# Altium PCB Slave.PcbDoc (part 5 of 11)
Units mm, origin at the board's own origin, x right, y up, seen from the top; angles counter-clockwise.
Board outline 380 x 63 mm, 4 copper layers (Top Copper, Signal Layer 1, Signal Layer 2, Bottom Copper), stack 1.586 mm thick; 256 components, 191 nets, 731 pads, 24161 vias.
Unrouted connection lines stored in the file: 14.
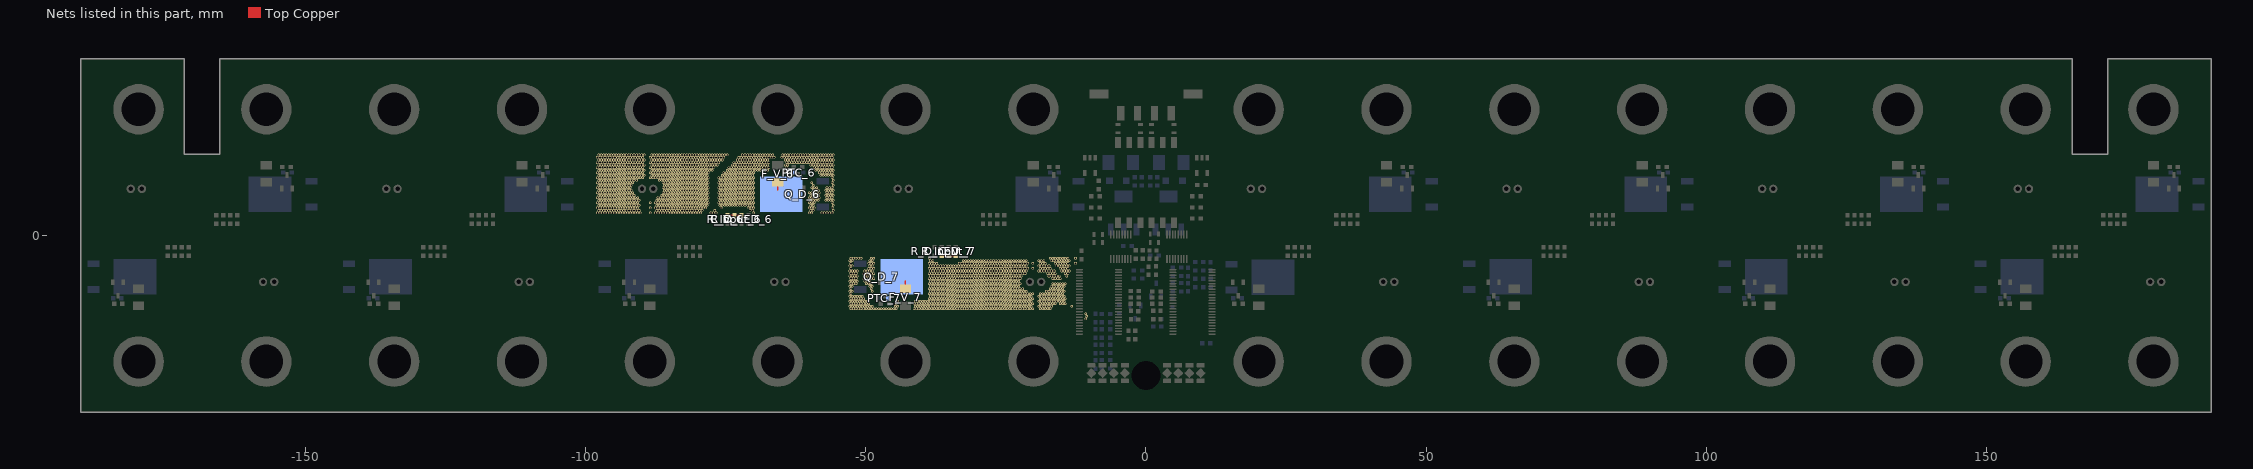
[diagram p7: the nets of this part, all layers, seen from the top]

## Via types
v1: diameter 0.45, hole 0.297, Top Copper to Bottom Copper, tented both sides, 23326 vias
v2: diameter 1, hole 0.7, Top Copper to Bottom Copper, 576 vias
v3: diameter 0.45, hole 0.2, Top Copper to Bottom Copper, 259 vias

## Nets (pads, with @x,y where several pads share a name; then routed paths per layer and width w, separated by ;. In a path a pad name is that pad's centre, name@x,y a point inside that pad or via, vN(x,y) a via of type N, cw(c..) or ccw(c..) an arc to the next point about the centre after c; other vN are vias at no path point) (continued)
F_6: C_V_6.2 F_V_6.2 PTC_6.2 Q_D_6.2 R_D_LED_6.2 R_Input_6.1 | length 3.9
  Top Copper w0.254: C_V_6.2@-74.65,3.6 R_Input_6.1@-73.4,3.6 R_D_LED_6.2@-72.15,3.6
  Top Copper w0.305: -65.675,8.1 F_V_6.2@-65.675,9.48
  other v1: -97.85,4 -97.4,4 -96.95,4 -96.5,4 -96.05,4 -95.6,4 -95.15,4 -94.7,4 -94.25,4 -93.8,4 -93.35,4 -92.9,4 -92.45,4 -92,4 -91.55,4 -91.1,4 -90.65,4 -90.2,4 -88.4,4 -87.5,4 -87.05,4 -86.6,4 -86.15,4 -85.7,4 -85.25,4 -84.8,4 -84.35,4 -83.9,4 -83.45,4 -83,4 -82.55,4 -82.1,4 -81.65,4 -81.2,4 -80.75,4 -80.3,4 -79.85,4 -79.4,4 -77.6,4 -77.15,4 -76.7,4 -69.95,4 -60.05,4 -59.6,4 -57.8,4 -57.35,4 -56.9,4 -56.45,4 -56,4 -97.625,4.45 -97.175,4.45 -96.725,4.45 -96.275,4.45 -95.825,4.45 -95.375,4.45 -94.925,4.45 -94.475,4.45 -94.025,4.45 -93.575,4.45 -93.125,4.45 -92.675,4.45 -92.225,4.45 -91.775,4.45 -91.325,4.45 -90.875,4.45 -90.425,4.45 -87.275,4.45 -86.825,4.45 -86.375,4.45 -85.925,4.45 -85.475,4.45 -85.025,4.45 -84.575,4.45 -84.125,4.45 -83.675,4.45 -83.225,4.45 -82.775,4.45 -82.325,4.45 -81.875,4.45 -81.425,4.45 -80.975,4.45 -80.525,4.45 -80.075,4.45 -79.625,4.45 -79.175,4.45 -76.925,4.45 -70.625,4.45 -70.175,4.45 -59.825,4.45 -59.375,4.45 -55.775,4.45 -97.85,4.9 -97.4,4.9 -96.95,4.9 -96.5,4.9 -96.05,4.9 -95.6,4.9 -95.15,4.9 -94.7,4.9 -94.25,4.9 -93.8,4.9 -93.35,4.9 -92.9,4.9 -92.45,4.9 -92,4.9 -91.55,4.9 -91.1,4.9 -90.65,4.9 -88.4,4.9 -87.5,4.9 -87.05,4.9 -86.6,4.9 -86.15,4.9 -85.7,4.9 -85.25,4.9 -84.8,4.9 -84.35,4.9 -83.9,4.9 -83.45,4.9 -83,4.9 -82.55,4.9 -82.1,4.9 -81.65,4.9 -81.2,4.9 -80.75,4.9 -80.3,4.9 -79.85,4.9 -79.4,4.9 -78.95,4.9 -78.5,4.9 -75.8,4.9 -70.85,4.9 -70.4,4.9 -69.95,4.9 -60.05,4.9 -59.6,4.9 -59.15,4.9 -56,4.9 -97.625,5.35 -97.175,5.35 -96.725,5.35 -96.275,5.35 -95.825,5.35 -95.375,5.35 -94.925,5.35 -94.475,5.35 -94.025,5.35 -93.575,5.35 -93.125,5.35 -92.675,5.35 -92.225,5.35 -91.775,5.35 -91.325,5.35 -90.875,5.35 -90.425,5.35 -87.275,5.35 -86.825,5.35 -86.375,5.35 -85.925,5.35 -85.475,5.35 -85.025,5.35 -84.575,5.35 -84.125,5.35 -83.675,5.35 -83.225,5.35 -82.775,5.35 -82.325,5.35 -81.875,5.35 -81.425,5.35 -80.975,5.35 -80.525,5.35 -80.075,5.35 -79.625,5.35 -79.175,5.35 -78.725,5.35 -78.275,5.35 -76.025,5.35 -75.575,5.35 -75.125,5.35 -74.675,5.35 -74.225,5.35 -73.775,5.35 -73.325,5.35 -72.875,5.35 -72.425,5.35 -71.975,5.35 -71.525,5.35 -71.075,5.35 -70.625,5.35 -70.175,5.35 -59.825,5.35 -59.375,5.35 -55.775,5.35 -97.85,5.8 -97.4,5.8 -96.95,5.8 -96.5,5.8 -96.05,5.8 -95.6,5.8 -95.15,5.8 -94.7,5.8 -94.25,5.8 -93.8,5.8 -93.35,5.8 -92.9,5.8 -92.45,5.8 -92,5.8 -91.55,5.8 -91.1,5.8 -90.65,5.8 -88.4,5.8 -87.5,5.8 -87.05,5.8 -86.6,5.8 -86.15,5.8 -85.7,5.8 -85.25,5.8 -84.8,5.8 -84.35,5.8 -83.9,5.8 -83.45,5.8 -83,5.8 -82.55,5.8 -82.1,5.8 -81.65,5.8 -81.2,5.8 -80.75,5.8 -80.3,5.8 -79.85,5.8 -79.4,5.8 -78.95,5.8 -78.5,5.8 -78.05,5.8 -76.25,5.8 -75.8,5.8 -75.35,5.8 -74.9,5.8 -74.45,5.8 -74,5.8 -73.55,5.8 -73.1,5.8 -72.65,5.8 -72.2,5.8 -71.75,5.8 -71.3,5.8 -70.85,5.8 -70.4,5.8 -69.95,5.8 -60.05,5.8 -59.6,5.8 -59.15,5.8 -56,5.8 -97.625,6.25 -97.175,6.25 -96.725,6.25 -96.275,6.25 -95.825,6.25 -95.375,6.25 -94.925,6.25 -94.475,6.25 -94.025,6.25 -93.575,6.25 -93.125,6.25 -92.675,6.25 -92.225,6.25 -91.775,6.25 -91.325,6.25 -90.875,6.25 -90.425,6.25 -87.275,6.25 -86.825,6.25 -86.375,6.25 -85.925,6.25 -85.475,6.25 -85.025,6.25 -84.575,6.25 -84.125,6.25 -83.675,6.25 -83.225,6.25 -82.775,6.25 -82.325,6.25 -81.875,6.25 -81.425,6.25 -80.975,6.25 -80.525,6.25 -80.075,6.25 -79.625,6.25 -79.175,6.25 -78.725,6.25 -78.275,6.25 -76.025,6.25 -75.575,6.25 -75.125,6.25 -74.675,6.25 -74.225,6.25 -73.775,6.25 -73.325,6.25 -72.875,6.25 -72.425,6.25 -71.975,6.25 -71.525,6.25 -71.075,6.25 -70.625,6.25 -70.175,6.25 -59.825,6.25 -59.375,6.25 -58.925,6.25 -58.475,6.25 -57.125,6.25 -56.675,6.25 -56.225,6.25 -55.775,6.25 -97.85,6.7 -97.4,6.7 -96.95,6.7 -96.5,6.7 -96.05,6.7 -95.6,6.7 -95.15,6.7 -94.7,6.7 -94.25,6.7 -93.8,6.7 -93.35,6.7 -92.9,6.7 -92.45,6.7 -92,6.7 -91.55,6.7 -91.1,6.7 -90.65,6.7 -87.05,6.7 -86.6,6.7 -86.15,6.7 -85.7,6.7 -85.25,6.7 -84.8,6.7 -84.35,6.7 -83.9,6.7 -83.45,6.7 -83,6.7 -82.55,6.7 -82.1,6.7 -81.65,6.7 -81.2,6.7 -80.75,6.7 -80.3,6.7 -79.85,6.7 -79.4,6.7 -78.95,6.7 -78.5,6.7 -78.05,6.7 -76.25,6.7 -75.8,6.7 -75.35,6.7 -74.9,6.7 -74.45,6.7 -74,6.7 -73.55,6.7 -73.1,6.7 -72.65,6.7 -72.2,6.7 -71.75,6.7 -71.3,6.7 -70.85,6.7 -70.4,6.7 -69.95,6.7 -60.05,6.7 -59.6,6.7 -59.15,6.7 -58.7,6.7 -58.25,6.7 -56.9,6.7 -56.45,6.7 -56,6.7 -97.625,7.15 -97.175,7.15 -96.725,7.15 -96.275,7.15 -95.825,7.15 -95.375,7.15 -94.925,7.15 -94.475,7.15 -94.025,7.15 -93.575,7.15 -93.125,7.15 -92.675,7.15 -92.225,7.15 -91.775,7.15 -91.325,7.15 -86.375,7.15 -85.925,7.15 -85.475,7.15 -85.025,7.15 -84.575,7.15 -84.125,7.15 -83.675,7.15 -83.225,7.15 -82.775,7.15 -82.325,7.15 -81.875,7.15 -81.425,7.15 -80.975,7.15 -80.525,7.15 -80.075,7.15 -79.625,7.15 -79.175,7.15 -78.725,7.15 -78.275,7.15 -76.025,7.15 -75.575,7.15 -75.125,7.15 -74.675,7.15 -74.225,7.15 -73.775,7.15 -73.325,7.15 -72.875,7.15 -72.425,7.15 -71.975,7.15 -71.525,7.15 -71.075,7.15 -70.625,7.15 -70.175,7.15 -59.825,7.15 -59.375,7.15 -58.925,7.15 -58.475,7.15 -57.125,7.15 -56.675,7.15 -56.225,7.15 -55.775,7.15 -97.85,7.6 -97.4,7.6 -96.95,7.6 -96.5,7.6 -96.05,7.6 -95.6,7.6 -95.15,7.6 -94.7,7.6 -94.25,7.6 -93.8,7.6 -93.35,7.6 -92.9,7.6 -92.45,7.6 -92,7.6 -91.55,7.6 -86.15,7.6 -85.7,7.6 -85.25,7.6 -84.8,7.6 -84.35,7.6 -83.9,7.6 -83.45,7.6 -83,7.6 -82.55,7.6 -82.1,7.6 -81.65,7.6 -81.2,7.6 -80.75,7.6 -80.3,7.6 -79.85,7.6 -79.4,7.6 -78.95,7.6 -78.5,7.6 -78.05,7.6 -76.25,7.6 -75.8,7.6 -75.35,7.6 -74.9,7.6 -74.45,7.6 -74,7.6 -73.55,7.6 -73.1,7.6 -72.65,7.6 -72.2,7.6 -71.75,7.6 -71.3,7.6 -70.85,7.6 -70.4,7.6 -69.95,7.6 -60.05,7.6 -59.6,7.6 -59.15,7.6 -58.7,7.6 -58.25,7.6 -56.9,7.6 -56.45,7.6 -56,7.6 -97.625,8.05 -97.175,8.05 -96.725,8.05 -96.275,8.05 -95.825,8.05 -95.375,8.05 -94.925,8.05 -94.475,8.05 -94.025,8.05 -93.575,8.05 -93.125,8.05 -92.675,8.05 -92.225,8.05 -91.775,8.05 -85.925,8.05 -85.475,8.05 -85.025,8.05 -84.575,8.05 -84.125,8.05 -83.675,8.05 -83.225,8.05 -82.775,8.05 -82.325,8.05 -81.875,8.05 -81.425,8.05 -80.975,8.05 -80.525,8.05 -80.075,8.05 -79.625,8.05 -79.175,8.05 -78.725,8.05 -78.275,8.05 -76.025,8.05 -75.575,8.05 -75.125,8.05 -74.675,8.05 -74.225,8.05 -73.775,8.05 -73.325,8.05 -72.875,8.05 -72.425,8.05 -71.975,8.05 -71.525,8.05 -71.075,8.05 -70.625,8.05 -70.175,8.05 -59.375,8.05 -58.925,8.05 -58.475,8.05 -57.125,8.05 -56.675,8.05 -56.225,8.05 -55.775,8.05 -97.85,8.5 -97.4,8.5 -96.95,8.5 -96.5,8.5 -96.05,8.5 -95.6,8.5 -95.15,8.5 -94.7,8.5 -94.25,8.5 -93.8,8.5 -93.35,8.5 -92.9,8.5 -92.45,8.5 -92,8.5 -86.15,8.5 -85.7,8.5 -85.25,8.5 -84.8,8.5 -84.35,8.5 -83.9,8.5 -83.45,8.5 -83,8.5 -82.55,8.5 -82.1,8.5 -81.65,8.5 -81.2,8.5 -80.75,8.5 -80.3,8.5 -79.85,8.5 -79.4,8.5 -78.95,8.5 -78.5,8.5 -78.05,8.5 -76.25,8.5 -75.8,8.5 -75.35,8.5 -74.9,8.5 -74.45,8.5 -74,8.5 -73.55,8.5 -73.1,8.5 -72.65,8.5 -72.2,8.5 -71.75,8.5 -71.3,8.5 -70.85,8.5 -70.4,8.5 -69.95,8.5 -59.6,8.5 -59.15,8.5 -58.7,8.5 -56.9,8.5 -56.45,8.5 -56,8.5 -97.625,8.95 -97.175,8.95 -96.725,8.95 -96.275,8.95 -95.825,8.95 -95.375,8.95 -94.925,8.95 -94.475,8.95 -94.025,8.95 -93.575,8.95 -93.125,8.95 -92.675,8.95 -92.225,8.95 -91.775,8.95 -85.925,8.95 -85.475,8.95 -85.025,8.95 -84.575,8.95 -84.125,8.95 -83.675,8.95 -83.225,8.95 -82.775,8.95 -82.325,8.95 -81.875,8.95 -81.425,8.95 -80.975,8.95 -80.525,8.95 -80.075,8.95 -79.625,8.95 -79.175,8.95 -78.725,8.95 -78.275,8.95 -76.025,8.95 -75.575,8.95 -75.125,8.95 -74.675,8.95 -74.225,8.95 -73.775,8.95 -73.325,8.95 -72.875,8.95 -72.425,8.95 -71.975,8.95 -71.525,8.95 -71.075,8.95 -70.625,8.95 -70.175,8.95 -59.375,8.95 -55.775,8.95 -97.85,9.4 -97.4,9.4 -96.95,9.4 -96.5,9.4 -96.05,9.4 -95.6,9.4 -95.15,9.4 -94.7,9.4 -94.25,9.4 -93.8,9.4 -93.35,9.4 -92.9,9.4 -92.45,9.4 -92,9.4 -91.55,9.4 -86.15,9.4 -85.7,9.4 -85.25,9.4 -84.8,9.4 -84.35,9.4 -83.9,9.4 -83.45,9.4 -83,9.4 -82.55,9.4 -82.1,9.4 -81.65,9.4 -81.2,9.4 -80.75,9.4 -80.3,9.4 -79.85,9.4 -79.4,9.4 -78.95,9.4 -78.5,9.4 -78.05,9.4 -76.25,9.4 -75.8,9.4 -75.35,9.4 -74.9,9.4 -74.45,9.4 -74,9.4 -73.55,9.4 -73.1,9.4 -72.65,9.4 -72.2,9.4 -71.75,9.4 -71.3,9.4 -70.85,9.4 -70.4,9.4 -69.95,9.4 -59.6,9.4 -56,9.4 -97.625,9.85 -97.175,9.85 -96.725,9.85 -96.275,9.85 -95.825,9.85 -95.375,9.85 -94.925,9.85 -94.475,9.85 -94.025,9.85 -93.575,9.85 -93.125,9.85 -92.675,9.85 -92.225,9.85 -91.775,9.85 -91.325,9.85 -90.875,9.85 -86.825,9.85 -86.375,9.85 -85.925,9.85 -85.475,9.85 -85.025,9.85 -84.575,9.85 -84.125,9.85 -83.675,9.85 -83.225,9.85 -82.775,9.85 -82.325,9.85 -81.875,9.85 -81.425,9.85 -80.975,9.85 -80.525,9.85 -80.075,9.85 -79.625,9.85 -79.175,9.85 -78.725,9.85 -78.275,9.85 -76.025,9.85 -75.575,9.85 -75.125,9.85 -74.675,9.85 -74.225,9.85 -73.775,9.85 -73.325,9.85 -72.875,9.85 -72.425,9.85 -71.975,9.85 -71.525,9.85 -71.075,9.85 -70.625,9.85 -70.175,9.85 -55.775,9.85 -97.85,10.3 -97.4,10.3 -96.95,10.3 -96.5,10.3 -96.05,10.3 -95.6,10.3 -95.15,10.3 -94.7,10.3 -94.25,10.3 -93.8,10.3 -93.35,10.3 -92.9,10.3 -92.45,10.3 -92,10.3 -91.55,10.3 -91.1,10.3 -90.65,10.3 -90.2,10.3 -89.75,10.3 -88.4,10.3 -87.95,10.3 -87.5,10.3 -87.05,10.3 -86.6,10.3 -86.15,10.3 -85.7,10.3 -85.25,10.3 -84.8,10.3 -84.35,10.3 -83.9,10.3 -83.45,10.3 -83,10.3 -82.55,10.3 -82.1,10.3 -81.65,10.3 -81.2,10.3 -80.75,10.3 -80.3,10.3 -79.85,10.3 -79.4,10.3 -78.95,10.3 -78.5,10.3 -78.05,10.3 -76.25,10.3 -75.8,10.3 -75.35,10.3 -74.9,10.3 -74.45,10.3 -74,10.3 -73.55,10.3 -73.1,10.3 -72.65,10.3 -72.2,10.3 -71.75,10.3 -71.3,10.3 -70.85,10.3 -70.4,10.3 -69.95,10.3 -56,10.3 -97.625,10.75 -97.175,10.75 -96.725,10.75 -96.275,10.75 -95.825,10.75 -95.375,10.75 -94.925,10.75 -94.475,10.75 -94.025,10.75 -93.575,10.75 -93.125,10.75 -92.675,10.75 -92.225,10.75 -91.775,10.75 -91.325,10.75 -90.875,10.75 -90.425,10.75 -89.975,10.75 -89.525,10.75 -88.175,10.75 -87.725,10.75 -87.275,10.75 -86.825,10.75 -86.375,10.75 -85.925,10.75 -85.475,10.75 -85.025,10.75 -84.575,10.75 -84.125,10.75 -83.675,10.75 -83.225,10.75 -82.775,10.75 -82.325,10.75 -81.875,10.75 -81.425,10.75 -80.975,10.75 -80.525,10.75 -80.075,10.75 -79.625,10.75 -79.175,10.75 -78.725,10.75 -78.275,10.75 -75.575,10.75 -75.125,10.75 -74.675,10.75 -74.225,10.75 -73.775,10.75 -73.325,10.75 -72.875,10.75 -72.425,10.75 -71.975,10.75 -71.525,10.75 -71.075,10.75 -70.625,10.75 -70.175,10.75 -58.025,10.75 -57.575,10.75 -57.125,10.75 -56.675,10.75 -56.225,10.75 -55.775,10.75 -97.85,11.2 -97.4,11.2 -96.95,11.2 -96.5,11.2 -96.05,11.2 -95.6,11.2 -95.15,11.2 -94.7,11.2 -94.25,11.2 -93.8,11.2 -93.35,11.2 -92.9,11.2 -92.45,11.2 -92,11.2 -91.55,11.2 -91.1,11.2 -90.65,11.2 -90.2,11.2 -89.75,11.2 -88.4,11.2 -87.95,11.2 -87.5,11.2 -87.05,11.2 -86.6,11.2 -86.15,11.2 -85.7,11.2 -85.25,11.2 -84.8,11.2 -84.35,11.2 -83.9,11.2 -83.45,11.2 -83,11.2 -82.55,11.2 -82.1,11.2 -81.65,11.2 -81.2,11.2 -80.75,11.2 -80.3,11.2 -79.85,11.2 -79.4,11.2 -78.95,11.2 -78.5,11.2 -78.05,11.2 -75.35,11.2 -74.9,11.2 -74.45,11.2 -74,11.2 -73.55,11.2 -73.1,11.2 -72.65,11.2 -72.2,11.2 -71.75,11.2 -71.3,11.2 -70.85,11.2 -70.4,11.2 -69.95,11.2 -58.25,11.2 -57.8,11.2 -57.35,11.2 -56.9,11.2 -56.45,11.2 -56,11.2 -97.625,11.65 -97.175,11.65 -96.725,11.65 -96.275,11.65 -95.825,11.65 -95.375,11.65 -94.925,11.65 -94.475,11.65 -94.025,11.65 -93.575,11.65 -93.125,11.65 -92.675,11.65 -92.225,11.65 -91.775,11.65 -91.325,11.65 -90.875,11.65 -90.425,11.65 -89.975,11.65 -89.525,11.65 -88.175,11.65 -87.725,11.65 -87.275,11.65 -86.825,11.65 -86.375,11.65 -85.925,11.65 -85.475,11.65 -85.025,11.65 -84.575,11.65 -84.125,11.65 -83.675,11.65 -83.225,11.65 -82.775,11.65 -82.325,11.65 -81.875,11.65 -81.425,11.65 -80.975,11.65 -80.525,11.65 -80.075,11.65 -79.625,11.65 -79.175,11.65 -78.725,11.65 -78.275,11.65 -77.825,11.65 -77.375,11.65 -74.675,11.65 -74.225,11.65 -73.775,11.65 -73.325,11.65 -72.875,11.65 -72.425,11.65 -71.975,11.65 -71.525,11.65 -71.075,11.65 -70.625,11.65 -70.175,11.65 -69.725,11.65 -69.275,11.65 -68.825,11.65 -68.375,11.65 -67.925,11.65 -67.475,11.65 -64.325,11.65 -58.925,11.65 -58.475,11.65 -58.025,11.65 -57.575,11.65 -57.125,11.65 -56.675,11.65 -56.225,11.65 -55.775,11.65 -97.85,12.1 -97.4,12.1 -96.95,12.1 -96.5,12.1 -96.05,12.1 -95.6,12.1 -95.15,12.1 -94.7,12.1 -94.25,12.1 -93.8,12.1 -93.35,12.1 -92.9,12.1 -92.45,12.1 -92,12.1 -91.55,12.1 -91.1,12.1 -90.65,12.1 -90.2,12.1 -89.75,12.1 -88.4,12.1 -87.95,12.1 -87.5,12.1 -87.05,12.1 -86.6,12.1 -86.15,12.1 -85.7,12.1 -85.25,12.1 -84.8,12.1 -84.35,12.1 -83.9,12.1 -83.45,12.1 -83,12.1 -82.55,12.1 -82.1,12.1 -81.65,12.1 -81.2,12.1 -80.75,12.1 -80.3,12.1 -79.85,12.1 -79.4,12.1 -78.95,12.1 -78.5,12.1 -78.05,12.1 -77.6,12.1 -77.15,12.1 -74.45,12.1 -74,12.1 -73.55,12.1 -73.1,12.1 -72.65,12.1 -72.2,12.1 -71.75,12.1 -71.3,12.1 -70.85,12.1 -70.4,12.1 -69.95,12.1 -69.5,12.1 -69.05,12.1 -68.6,12.1 -68.15,12.1 -67.7,12.1 -67.25,12.1 -64.1,12.1 -59.15,12.1 -58.7,12.1 -58.25,12.1 -57.8,12.1 -57.35,12.1 -56.9,12.1 -56.45,12.1 -56,12.1 -97.625,12.55 -97.175,12.55 -96.725,12.55 -96.275,12.55 -95.825,12.55 -95.375,12.55 -94.925,12.55 -94.475,12.55 -94.025,12.55 -93.575,12.55 -93.125,12.55 -92.675,12.55 -92.225,12.55 -91.775,12.55 -91.325,12.55 -90.875,12.55 -90.425,12.55 -89.975,12.55 -89.525,12.55 -88.175,12.55 -87.725,12.55 -87.275,12.55 -86.825,12.55 -86.375,12.55 -85.925,12.55 -85.475,12.55 -85.025,12.55 -84.575,12.55 -84.125,12.55 -83.675,12.55 -83.225,12.55 -82.775,12.55 -82.325,12.55 -81.875,12.55 -81.425,12.55 -80.975,12.55 -80.525,12.55 -80.075,12.55 -79.625,12.55 -79.175,12.55 -78.725,12.55 -78.275,12.55 -77.825,12.55 -77.375,12.55 -76.925,12.55 -76.475,12.55 -73.775,12.55 -73.325,12.55 -72.875,12.55 -72.425,12.55 -71.975,12.55 -71.525,12.55 -71.075,12.55 -70.625,12.55 -70.175,12.55 -69.725,12.55 -69.275,12.55 -68.825,12.55 -68.375,12.55 -67.925,12.55 -67.475,12.55 -64.325,12.55 -63.875,12.55 -59.825,12.55 -59.375,12.55 -58.925,12.55 -58.475,12.55 -58.025,12.55 -57.575,12.55 -57.125,12.55 -56.675,12.55 -56.225,12.55 -55.775,12.55 -97.85,13 -97.4,13 -96.95,13 -96.5,13 -96.05,13 -95.6,13 -95.15,13 -94.7,13 -94.25,13 -93.8,13 -93.35,13 -92.9,13 -92.45,13 -92,13 -91.55,13 -91.1,13 -90.65,13 -90.2,13 -89.75,13 -88.4,13 -87.95,13 -87.5,13 -87.05,13 -86.6,13 -86.15,13 -85.7,13 -85.25,13 -84.8,13 -84.35,13 -83.9,13 -83.45,13 -83,13 -82.55,13 -82.1,13 -81.65,13 -81.2,13 -80.75,13 -80.3,13 -79.85,13 -79.4,13 -78.95,13 -78.5,13 -78.05,13 -77.6,13 -77.15,13 -76.7,13 -76.25,13 -73.55,13 -73.1,13 -72.65,13 -72.2,13 -71.75,13 -71.3,13 -70.85,13 -70.4,13 -69.95,13 -69.5,13 -69.05,13 -68.6,13 -68.15,13 -67.7,13 -67.25,13 -64.1,13 -63.65,13 -63.2,13 -62.75,13 -62.3,13 -61.85,13 -61.4,13 -60.95,13 -60.5,13 -60.05,13 -59.6,13 -59.15,13 -58.7,13 -58.25,13 -57.8,13 -57.35,13 -56.9,13 -56.45,13 -56,13 -97.625,13.45 -97.175,13.45 -96.725,13.45 -96.275,13.45 -95.825,13.45 -95.375,13.45 -94.925,13.45 -94.475,13.45 -94.025,13.45 -93.575,13.45 -93.125,13.45 -92.675,13.45 -92.225,13.45 -91.775,13.45 -91.325,13.45 -90.875,13.45 -90.425,13.45 -89.975,13.45 -89.525,13.45 -88.175,13.45 -87.725,13.45 -87.275,13.45 -86.825,13.45 -86.375,13.45 -85.925,13.45 -85.475,13.45 -85.025,13.45 -84.575,13.45 -84.125,13.45 -83.675,13.45 -83.225,13.45 -82.775,13.45 -82.325,13.45 -81.875,13.45 -81.425,13.45 -80.975,13.45 -80.525,13.45 -80.075,13.45 -79.625,13.45 -79.175,13.45 -78.725,13.45 -78.275,13.45 -77.825,13.45 -77.375,13.45 -76.925,13.45 -76.475,13.45 -76.025,13.45 -75.575,13.45 -72.875,13.45 -72.425,13.45 -71.975,13.45 -71.525,13.45 -71.075,13.45 -70.625,13.45 -70.175,13.45 -69.725,13.45 -69.275,13.45 -68.825,13.45 -68.375,13.45 -67.925,13.45 -67.475,13.45 -64.325,13.45 -63.875,13.45 -63.425,13.45 -62.975,13.45 -62.525,13.45 -62.075,13.45 -61.625,13.45 -61.175,13.45 -60.725,13.45 -60.275,13.45 -59.825,13.45 -59.375,13.45 -58.925,13.45 -58.475,13.45 -58.025,13.45 -57.575,13.45 -57.125,13.45 -56.675,13.45 -56.225,13.45 -55.775,13.45 -97.85,13.9 -97.4,13.9 -96.95,13.9 -96.5,13.9 -96.05,13.9 -95.6,13.9 -95.15,13.9 -94.7,13.9 -94.25,13.9 -93.8,13.9 -93.35,13.9 -92.9,13.9 -92.45,13.9 -92,13.9 -91.55,13.9 -91.1,13.9 -90.65,13.9 -90.2,13.9 -89.75,13.9 -88.4,13.9 -87.95,13.9 -87.5,13.9 -87.05,13.9 -86.6,13.9 -86.15,13.9 -85.7,13.9 -85.25,13.9 -84.8,13.9 -84.35,13.9 -83.9,13.9 -83.45,13.9 -83,13.9 -82.55,13.9 -82.1,13.9 -81.65,13.9 -81.2,13.9 -80.75,13.9 -80.3,13.9 -79.85,13.9 -79.4,13.9 -78.95,13.9 -78.5,13.9 -78.05,13.9 -77.6,13.9 -77.15,13.9 -76.7,13.9 -76.25,13.9 -75.8,13.9 -75.35,13.9 -72.65,13.9 -72.2,13.9 -71.75,13.9 -71.3,13.9 -70.85,13.9 -70.4,13.9 -69.95,13.9 -69.5,13.9 -69.05,13.9 -68.6,13.9 -68.15,13.9 -67.7,13.9 -67.25,13.9 -66.8,13.9 -66.35,13.9 -65,13.9 -64.55,13.9 -64.1,13.9 -63.65,13.9 -63.2,13.9 -62.75,13.9 -62.3,13.9 -61.85,13.9 -61.4,13.9 -60.95,13.9 -60.5,13.9 -60.05,13.9 -59.6,13.9 -59.15,13.9 -58.7,13.9 -58.25,13.9 -57.8,13.9 -57.35,13.9 -56.9,13.9 -56.45,13.9 -56,13.9 -97.625,14.35 -97.175,14.35 -96.725,14.35 -96.275,14.35 -95.825,14.35 -95.375,14.35 -94.925,14.35 -94.475,14.35 -94.025,14.35 -93.575,14.35 -93.125,14.35 -92.675,14.35 -92.225,14.35 -91.775,14.35 -91.325,14.35 -90.875,14.35 -90.425,14.35 -89.975,14.35 -89.525,14.35 -88.175,14.35 -87.725,14.35 -87.275,14.35 -86.825,14.35 -86.375,14.35 -85.925,14.35 -85.475,14.35 -85.025,14.35 -84.575,14.35 -84.125,14.35 -83.675,14.35 -83.225,14.35 -82.775,14.35 -82.325,14.35 -81.875,14.35 -81.425,14.35 -80.975,14.35 -80.525,14.35 -80.075,14.35 -79.625,14.35 -79.175,14.35 -78.725,14.35 -78.275,14.35 -77.825,14.35 -77.375,14.35 -76.925,14.35 -76.475,14.35 -76.025,14.35 -75.575,14.35 -75.125,14.35 -74.675,14.35 -71.975,14.35 -71.525,14.35 -71.075,14.35 -70.625,14.35 -70.175,14.35 -69.725,14.35 -69.275,14.35 -68.825,14.35 -68.375,14.35 -67.925,14.35 -67.475,14.35 -67.025,14.35 -66.575,14.35 -64.775,14.35 -64.325,14.35 -63.875,14.35 -63.425,14.35 -62.975,14.35 -62.525,14.35 -62.075,14.35 -61.625,14.35 -61.175,14.35 -60.725,14.35 -60.275,14.35 -59.825,14.35 -59.375,14.35 -58.925,14.35 -58.475,14.35 -58.025,14.35 -57.575,14.35 -57.125,14.35 -56.675,14.35 -56.225,14.35 -55.775,14.35
F_7: C_V_7.2 F_V_7.2 PTC_7.2 Q_D_7.2 R_D_LED_7.2 R_Input_7.1 | length 3.9
  Top Copper w0.254: R_D_LED_7.2@-36.45,-3.6 R_Input_7.1@-35.2,-3.6 C_V_7.2@-33.95,-3.6
  Top Copper w0.305: F_V_7.2@-42.925,-9.48 -42.925,-8.1
  other v1: -10.776,-14.9 -10.551,-14.45 -10.776,-14 -52.625,-13.1 -52.175,-13.1 -51.725,-13.1 -51.275,-13.1 -50.825,-13.1 -50.375,-13.1 -49.925,-13.1 -49.475,-13.1 -49.025,-13.1 -48.575,-13.1 -48.125,-13.1 -47.675,-13.1 -47.225,-13.1 -46.775,-13.1 -46.325,-13.1 -45.875,-13.1 -45.425,-13.1 -44.975,-13.1 -44.525,-13.1 -41.375,-13.1 -40.925,-13.1 -40.475,-13.1 -40.026,-13.1 -39.576,-13.1 -39.126,-13.1 -38.676,-13.1 -38.226,-13.1 -37.776,-13.1 -37.326,-13.1 -36.876,-13.1 -36.426,-13.1 -35.976,-13.1 -35.526,-13.1 -35.076,-13.1 -34.626,-13.1 -34.176,-13.1 -33.726,-13.1 -33.276,-13.1 -32.826,-13.1 -32.376,-13.1 -31.926,-13.1 -31.476,-13.1 -31.026,-13.1 -30.576,-13.1 -30.126,-13.1 -29.676,-13.1 -29.226,-13.1 -28.776,-13.1 -28.326,-13.1 -27.876,-13.1 -27.426,-13.1 -26.976,-13.1 -26.526,-13.1 -26.076,-13.1 -25.626,-13.1 -25.176,-13.1 -24.726,-13.1 -24.276,-13.1 -23.826,-13.1 -23.376,-13.1 -22.926,-13.1 -22.476,-13.1 -22.026,-13.1 -21.576,-13.1 -21.126,-13.1 -20.676,-13.1 -20.226,-13.1 -18.876,-13.1 -18.426,-13.1 -17.976,-13.1 -17.526,-13.1 -17.076,-13.1 -52.85,-12.65 -52.4,-12.65 -51.95,-12.65 -51.5,-12.65 -51.05,-12.65 -50.6,-12.65 -50.15,-12.65 -49.7,-12.65 -49.25,-12.65 -48.8,-12.65 -44.75,-12.65 -44.3,-12.65 -41.15,-12.65 -40.7,-12.65 -40.25,-12.65 -39.8,-12.65 -39.351,-12.65 -38.901,-12.65 -38.451,-12.65 -38.001,-12.65 -37.551,-12.65 -37.101,-12.65 -36.651,-12.65 -36.201,-12.65 -35.751,-12.65 -35.301,-12.65 -34.851,-12.65 -34.401,-12.65 -33.951,-12.65 -33.501,-12.65 -33.051,-12.65 -32.601,-12.65 -32.151,-12.65 -31.701,-12.65 -31.251,-12.65 -30.801,-12.65 -30.351,-12.65 -29.901,-12.65 -29.451,-12.65 -29.001,-12.65 -28.551,-12.65 -28.101,-12.65 -27.651,-12.65 -27.201,-12.65 -26.751,-12.65 -26.301,-12.65 -25.851,-12.65 -25.401,-12.65 -24.951,-12.65 -24.501,-12.65 -24.051,-12.65 -23.601,-12.65 -23.151,-12.65 -22.701,-12.65 -22.251,-12.65 -21.801,-12.65 -21.351,-12.65 -20.901,-12.65 -20.451,-12.65 -19.101,-12.65 -18.651,-12.65 -18.201,-12.65 -17.751,-12.65 -17.301,-12.65 -16.851,-12.65 -13.251,-12.65 -52.625,-12.2 -52.175,-12.2 -51.725,-12.2 -51.275,-12.2 -50.825,-12.2 -50.375,-12.2 -49.925,-12.2 -49.475,-12.2 -44.525,-12.2 -41.375,-12.2 -40.925,-12.2 -40.475,-12.2 -40.026,-12.2 -39.576,-12.2 -39.126,-12.2 -38.676,-12.2 -38.226,-12.2 -37.776,-12.2 -37.326,-12.2 -36.876,-12.2 -36.426,-12.2 -35.976,-12.2 -35.526,-12.2 -35.076,-12.2 -34.626,-12.2 -34.176,-12.2 -33.726,-12.2 -33.276,-12.2 -32.826,-12.2 -32.376,-12.2 -31.926,-12.2 -31.476,-12.2 -31.026,-12.2 -30.576,-12.2 -30.126,-12.2 -29.676,-12.2 -29.226,-12.2 -28.776,-12.2 -28.326,-12.2 -27.876,-12.2 -27.426,-12.2 -26.976,-12.2 -26.526,-12.2 -26.076,-12.2 -25.626,-12.2 -25.176,-12.2 -24.726,-12.2 -24.276,-12.2 -23.826,-12.2 -23.376,-12.2 -22.926,-12.2 -22.476,-12.2 -22.026,-12.2 -21.576,-12.2 -21.126,-12.2 -20.676,-12.2 -20.226,-12.2 -18.876,-12.2 -18.426,-12.2 -17.976,-12.2 -17.526,-12.2 -17.076,-12.2 -16.626,-12.2 -16.176,-12.2 -15.276,-12.2 -14.826,-12.2 -14.376,-12.2 -52.85,-11.75 -52.4,-11.75 -51.95,-11.75 -51.5,-11.75 -51.05,-11.75 -50.6,-11.75 -50.15,-11.75 -49.7,-11.75 -44.3,-11.75 -41.15,-11.75 -40.7,-11.75 -40.25,-11.75 -39.8,-11.75 -39.351,-11.75 -38.901,-11.75 -38.451,-11.75 -38.001,-11.75 -37.551,-11.75 -37.101,-11.75 -36.651,-11.75 -36.201,-11.75 -35.751,-11.75 -35.301,-11.75 -34.851,-11.75 -34.401,-11.75 -33.951,-11.75 -33.501,-11.75 -33.051,-11.75 -32.601,-11.75 -32.151,-11.75 -31.701,-11.75 -31.251,-11.75 -30.801,-11.75 -30.351,-11.75 -29.901,-11.75 -29.451,-11.75 -29.001,-11.75 -28.551,-11.75 -28.101,-11.75 -27.651,-11.75 -27.201,-11.75 -26.751,-11.75 -26.301,-11.75 -25.851,-11.75 -25.401,-11.75 -24.951,-11.75 -24.501,-11.75 -24.051,-11.75 -23.601,-11.75 -23.151,-11.75 -22.701,-11.75 -22.251,-11.75 -21.801,-11.75 -21.351,-11.75 -20.901,-11.75 -20.451,-11.75 -19.101,-11.75 -18.651,-11.75 -18.201,-11.75 -17.751,-11.75 -17.301,-11.75 -16.851,-11.75 -16.401,-11.75 -15.951,-11.75 -15.501,-11.75 -15.051,-11.75 -14.601,-11.75 -52.625,-11.3 -52.175,-11.3 -51.725,-11.3 -51.275,-11.3 -50.825,-11.3 -50.375,-11.3 -38.676,-11.3 -38.226,-11.3 -37.776,-11.3 -37.326,-11.3 -36.876,-11.3 -36.426,-11.3 -35.976,-11.3 -35.526,-11.3 -35.076,-11.3 -34.626,-11.3 -34.176,-11.3 -33.726,-11.3 -33.276,-11.3 -32.826,-11.3 -32.376,-11.3 -31.926,-11.3 -31.476,-11.3 -31.026,-11.3 -30.576,-11.3 -30.126,-11.3 -29.676,-11.3 -29.226,-11.3 -28.776,-11.3 -28.326,-11.3 -27.876,-11.3 -27.426,-11.3 -26.976,-11.3 -26.526,-11.3 -26.076,-11.3 -25.626,-11.3 -25.176,-11.3 -24.726,-11.3 -24.276,-11.3 -23.826,-11.3 -23.376,-11.3 -22.926,-11.3 -22.476,-11.3 -22.026,-11.3 -21.576,-11.3 -21.126,-11.3 -20.676,-11.3 -20.226,-11.3 -18.876,-11.3 -18.426,-11.3 -17.976,-11.3 -17.526,-11.3 -17.076,-11.3 -16.626,-11.3 -16.176,-11.3 -15.726,-11.3 -15.276,-11.3 -14.826,-11.3 -14.376,-11.3 -52.85,-10.85 -52.4,-10.85 -51.95,-10.85 -51.5,-10.85 -51.05,-10.85 -50.6,-10.85 -38.451,-10.85 -38.001,-10.85 -37.551,-10.85 -37.101,-10.85 -36.651,-10.85 -36.201,-10.85 -35.751,-10.85 -35.301,-10.85 -34.851,-10.85 -34.401,-10.85 -33.951,-10.85 -33.501,-10.85 -33.051,-10.85 -32.601,-10.85 -32.151,-10.85 -31.701,-10.85 -31.251,-10.85 -30.801,-10.85 -30.351,-10.85 -29.901,-10.85 -29.451,-10.85 -29.001,-10.85 -28.551,-10.85 -28.101,-10.85 -27.651,-10.85 -27.201,-10.85 -26.751,-10.85 -26.301,-10.85 -25.851,-10.85 -25.401,-10.85 -24.951,-10.85 -24.501,-10.85 -24.051,-10.85 -23.601,-10.85 -23.151,-10.85 -22.701,-10.85 -22.251,-10.85 -21.801,-10.85 -21.351,-10.85 -20.901,-10.85 -20.451,-10.85 -19.101,-10.85 -18.651,-10.85 -18.201,-10.85 -17.751,-10.85 -17.301,-10.85 -16.851,-10.85 -16.401,-10.85 -15.951,-10.85 -15.501,-10.85 -15.051,-10.85 -14.601,-10.85 -52.625,-10.4 -38.676,-10.4 -38.226,-10.4 -37.776,-10.4 -37.326,-10.4 -36.876,-10.4 -36.426,-10.4 -35.976,-10.4 -35.526,-10.4 -35.076,-10.4 -34.626,-10.4 -34.176,-10.4 -33.726,-10.4 -33.276,-10.4 -32.826,-10.4 -32.376,-10.4 -31.926,-10.4 -31.476,-10.4 -31.026,-10.4 -30.576,-10.4 -30.126,-10.4 -29.676,-10.4 -29.226,-10.4 -28.776,-10.4 -28.326,-10.4 -27.876,-10.4 -27.426,-10.4 -26.976,-10.4 -26.526,-10.4 -26.076,-10.4 -25.626,-10.4 -25.176,-10.4 -24.726,-10.4 -24.276,-10.4 -23.826,-10.4 -23.376,-10.4 -22.926,-10.4 -22.476,-10.4 -22.026,-10.4 -21.576,-10.4 -21.126,-10.4 -20.676,-10.4 -20.226,-10.4 -18.876,-10.4 -18.426,-10.4 -17.976,-10.4 -17.526,-10.4 -17.076,-10.4 -16.626,-10.4 -16.176,-10.4 -15.726,-10.4 -15.276,-10.4 -14.826,-10.4 -52.85,-9.95 -52.4,-9.95 -48.8,-9.95 -38.451,-9.95 -38.001,-9.95 -37.551,-9.95 -37.101,-9.95 -36.651,-9.95 -36.201,-9.95 -35.751,-9.95 -35.301,-9.95 -34.851,-9.95 -34.401,-9.95 -33.951,-9.95 -33.501,-9.95 -33.051,-9.95 -32.601,-9.95 -32.151,-9.95 -31.701,-9.95 -31.251,-9.95 -30.801,-9.95 -30.351,-9.95 -29.901,-9.95 -29.451,-9.95 -29.001,-9.95 -28.551,-9.95 -28.101,-9.95 -27.651,-9.95 -27.201,-9.95 -26.751,-9.95 -26.301,-9.95 -25.851,-9.95 -25.401,-9.95 -24.951,-9.95 -24.501,-9.95 -24.051,-9.95 -23.601,-9.95 -23.151,-9.95 -22.701,-9.95 -22.251,-9.95 -21.801,-9.95 -21.351,-9.95 -17.751,-9.95 -17.301,-9.95 -16.851,-9.95 -16.401,-9.95 -15.951,-9.95 -15.501,-9.95 -15.051,-9.95 -14.601,-9.95 -52.625,-9.5 -49.025,-9.5 -38.676,-9.5 -38.226,-9.5 -37.776,-9.5 -37.326,-9.5 -36.876,-9.5 -36.426,-9.5 -35.976,-9.5 -35.526,-9.5 -35.076,-9.5 -34.626,-9.5 -34.176,-9.5 -33.726,-9.5 -33.276,-9.5 -32.826,-9.5 -32.376,-9.5 -31.926,-9.5 -31.476,-9.5 -31.026,-9.5 -30.576,-9.5 -30.126,-9.5 -29.676,-9.5 -29.226,-9.5 -28.776,-9.5 -28.326,-9.5 -27.876,-9.5 -27.426,-9.5 -26.976,-9.5 -26.526,-9.5 -26.076,-9.5 -25.626,-9.5 -25.176,-9.5 -24.726,-9.5 -24.276,-9.5 -23.826,-9.5 -23.376,-9.5 -22.926,-9.5 -22.476,-9.5 -22.026,-9.5 -17.076,-9.5 -16.626,-9.5 -16.176,-9.5 -15.726,-9.5 -15.276,-9.5 -14.826,-9.5 -52.85,-9.05 -52.4,-9.05 -49.25,-9.05 -48.8,-9.05 -38.451,-9.05 -38.001,-9.05 -37.551,-9.05 -37.101,-9.05 -36.651,-9.05 -36.201,-9.05 -35.751,-9.05 -35.301,-9.05 -34.851,-9.05 -34.401,-9.05 -33.951,-9.05 -33.501,-9.05 -33.051,-9.05 -32.601,-9.05 -32.151,-9.05 -31.701,-9.05 -31.251,-9.05 -30.801,-9.05 -30.351,-9.05 -29.901,-9.05 -29.451,-9.05 -29.001,-9.05 -28.551,-9.05 -28.101,-9.05 -27.651,-9.05 -27.201,-9.05 -26.751,-9.05 -26.301,-9.05 -25.851,-9.05 -25.401,-9.05 -24.951,-9.05 -24.501,-9.05 -24.051,-9.05 -23.601,-9.05 -23.151,-9.05 -22.701,-9.05 -16.851,-9.05 -16.401,-9.05 -15.951,-9.05 -15.501,-9.05 -15.051,-9.05 -14.601,-9.05 -52.625,-8.6 -52.175,-8.6 -51.725,-8.6 -49.925,-8.6 -49.475,-8.6 -49.025,-8.6 -38.676,-8.6 -38.226,-8.6 -37.776,-8.6 -37.326,-8.6 -36.876,-8.6 -36.426,-8.6 -35.976,-8.6 -35.526,-8.6 -35.076,-8.6 -34.626,-8.6 -34.176,-8.6 -33.726,-8.6 -33.276,-8.6 -32.826,-8.6 -32.376,-8.6 -31.926,-8.6 -31.476,-8.6 -31.026,-8.6 -30.576,-8.6 -30.126,-8.6 -29.676,-8.6 -29.226,-8.6 -28.776,-8.6 -28.326,-8.6 -27.876,-8.6 -27.426,-8.6 -26.976,-8.6 -26.526,-8.6 -26.076,-8.6 -25.626,-8.6 -25.176,-8.6 -24.726,-8.6 -24.276,-8.6 -23.826,-8.6 -23.376,-8.6 -22.926,-8.6 -22.476,-8.6 -16.626,-8.6 -16.176,-8.6 -15.726,-8.6 -15.276,-8.6 -14.826,-8.6 -14.376,-8.6 -52.85,-8.15 -52.4,-8.15 -51.95,-8.15 -51.5,-8.15 -50.15,-8.15 -49.7,-8.15 -49.25,-8.15 -38.451,-8.15 -38.001,-8.15 -37.551,-8.15 -37.101,-8.15 -36.651,-8.15 -36.201,-8.15 -35.751,-8.15 -35.301,-8.15 -34.851,-8.15 -34.401,-8.15 -33.951,-8.15 -33.501,-8.15 -33.051,-8.15 -32.601,-8.15 -32.151,-8.15 -31.701,-8.15 -31.251,-8.15 -30.801,-8.15 -30.351,-8.15 -29.901,-8.15 -29.451,-8.15 -29.001,-8.15 -28.551,-8.15 -28.101,-8.15 -27.651,-8.15 -27.201,-8.15 -26.751,-8.15 -26.301,-8.15 -25.851,-8.15 -25.401,-8.15 -24.951,-8.15 -24.501,-8.15 -24.051,-8.15 -23.601,-8.15 -23.151,-8.15 -22.701,-8.15 -52.625,-7.7 -52.175,-7.7 -51.725,-7.7 -50.375,-7.7 -49.925,-7.7 -49.475,-7.7 -49.025,-7.7 -48.575,-7.7 -38.676,-7.7 -38.226,-7.7 -37.776,-7.7 -37.326,-7.7 -36.876,-7.7 -36.426,-7.7 -35.976,-7.7 -35.526,-7.7 -35.076,-7.7 -34.626,-7.7 -34.176,-7.7 -33.726,-7.7 -33.276,-7.7 -32.826,-7.7 -32.376,-7.7 -31.926,-7.7 -31.476,-7.7 -31.026,-7.7 -30.576,-7.7 -30.126,-7.7 -29.676,-7.7 -29.226,-7.7 -28.776,-7.7 -28.326,-7.7 -27.876,-7.7 -27.426,-7.7 -26.976,-7.7 -26.526,-7.7 -26.076,-7.7 -25.626,-7.7 -25.176,-7.7 -24.726,-7.7 -24.276,-7.7 -23.826,-7.7 -23.376,-7.7 -22.926,-7.7 -22.476,-7.7 -16.626,-7.7 -16.176,-7.7 -15.726,-7.7 -15.276,-7.7 -52.85,-7.25 -52.4,-7.25 -51.95,-7.25 -51.5,-7.25 -50.15,-7.25 -49.7,-7.25 -49.25,-7.25 -48.8,-7.25 -38.451,-7.25 -38.001,-7.25 -37.551,-7.25 -37.101,-7.25 -36.651,-7.25 -36.201,-7.25 -35.751,-7.25 -35.301,-7.25 -34.851,-7.25 -34.401,-7.25 -33.951,-7.25 -33.501,-7.25 -33.051,-7.25 -32.601,-7.25 -32.151,-7.25 -31.701,-7.25 -31.251,-7.25 -30.801,-7.25 -30.351,-7.25 -29.901,-7.25 -29.451,-7.25 -29.001,-7.25 -28.551,-7.25 -28.101,-7.25 -27.651,-7.25 -27.201,-7.25 -26.751,-7.25 -26.301,-7.25 -25.851,-7.25 -25.401,-7.25 -24.951,-7.25 -24.501,-7.25 -24.051,-7.25 -23.601,-7.25 -23.151,-7.25 -22.701,-7.25 -22.251,-7.25 -17.301,-7.25 -16.851,-7.25 -16.401,-7.25 -15.951,-7.25 -15.501,-7.25 -14.151,-7.25 -52.625,-6.8 -52.175,-6.8 -51.725,-6.8 -50.375,-6.8 -49.925,-6.8 -49.475,-6.8 -49.025,-6.8 -48.575,-6.8 -38.676,-6.8 -38.226,-6.8 -37.776,-6.8 -37.326,-6.8 -36.876,-6.8 -36.426,-6.8 -35.976,-6.8 -35.526,-6.8 -35.076,-6.8 -34.626,-6.8 -34.176,-6.8 -33.726,-6.8 -33.276,-6.8 -32.826,-6.8 -32.376,-6.8 -31.926,-6.8 -31.476,-6.8 -31.026,-6.8 -30.576,-6.8 -30.126,-6.8 -29.676,-6.8 -29.226,-6.8 -28.776,-6.8 -28.326,-6.8 -27.876,-6.8 -27.426,-6.8 -26.976,-6.8 -26.526,-6.8 -26.076,-6.8 -25.626,-6.8 -25.176,-6.8 -24.726,-6.8 -24.276,-6.8 -23.826,-6.8 -23.376,-6.8 -22.926,-6.8 -22.476,-6.8 -22.026,-6.8 -21.576,-6.8 -17.526,-6.8 -17.076,-6.8 -16.626,-6.8 -16.176,-6.8 -14.376,-6.8 -13.926,-6.8 -52.85,-6.35 -52.4,-6.35 -51.95,-6.35 -51.5,-6.35 -50.15,-6.35 -49.7,-6.35 -49.25,-6.35 -48.8,-6.35 -38.451,-6.35 -38.001,-6.35 -37.551,-6.35 -37.101,-6.35 -36.651,-6.35 -36.201,-6.35 -35.751,-6.35 -35.301,-6.35 -34.851,-6.35 -34.401,-6.35 -33.951,-6.35 -33.501,-6.35 -33.051,-6.35 -32.601,-6.35 -32.151,-6.35 -31.701,-6.35 -31.251,-6.35 -30.801,-6.35 -30.351,-6.35 -29.901,-6.35 -29.451,-6.35 -29.001,-6.35 -28.551,-6.35 -28.101,-6.35 -27.651,-6.35 -27.201,-6.35 -26.751,-6.35 -26.301,-6.35 -25.851,-6.35 -25.401,-6.35 -24.951,-6.35 -24.501,-6.35 -24.051,-6.35 -23.601,-6.35 -23.151,-6.35 -22.701,-6.35 -22.251,-6.35 -21.801,-6.35 -21.351,-6.35 -19.101,-6.35 -18.651,-6.35 -18.201,-6.35 -17.751,-6.35 -17.301,-6.35 -16.851,-6.35 -16.401,-6.35 -15.051,-6.35 -14.601,-6.35 -14.151,-6.35 -13.701,-6.35 -52.625,-5.9 -49.475,-5.9 -49.025,-5.9 -48.575,-5.9 -38.676,-5.9 -38.226,-5.9 -37.776,-5.9 -37.326,-5.9 -36.876,-5.9 -36.426,-5.9 -35.976,-5.9 -35.526,-5.9 -35.076,-5.9 -34.626,-5.9 -34.176,-5.9 -33.726,-5.9 -33.276,-5.9 -32.826,-5.9 -32.376,-5.9 -31.926,-5.9 -31.476,-5.9 -31.026,-5.9 -30.576,-5.9 -30.126,-5.9 -29.676,-5.9 -29.226,-5.9 -28.776,-5.9 -28.326,-5.9 -27.876,-5.9 -27.426,-5.9 -26.976,-5.9 -26.526,-5.9 -26.076,-5.9 -25.626,-5.9 -25.176,-5.9 -24.726,-5.9 -24.276,-5.9 -23.826,-5.9 -23.376,-5.9 -22.926,-5.9 -22.476,-5.9 -22.026,-5.9 -21.576,-5.9 -21.126,-5.9 -20.226,-5.9 -18.876,-5.9 -18.426,-5.9 -17.976,-5.9 -17.526,-5.9 -17.076,-5.9 -15.276,-5.9 -14.826,-5.9 -14.376,-5.9 -13.926,-5.9 -52.85,-5.45 -52.4,-5.45 -49.25,-5.45 -48.8,-5.45 -38.451,-5.45 -38.001,-5.45 -37.551,-5.45 -37.101,-5.45 -36.651,-5.45 -36.201,-5.45 -35.751,-5.45 -35.301,-5.45 -34.851,-5.45 -34.401,-5.45 -33.951,-5.45 -33.501,-5.45 -33.051,-5.45 -32.601,-5.45 -32.151,-5.45 -31.701,-5.45 -31.251,-5.45 -30.801,-5.45 -30.351,-5.45 -29.901,-5.45 -29.451,-5.45 -29.001,-5.45 -28.551,-5.45 -28.101,-5.45 -27.651,-5.45 -27.201,-5.45 -26.751,-5.45 -26.301,-5.45 -25.851,-5.45 -25.401,-5.45 -24.951,-5.45 -24.501,-5.45 -24.051,-5.45 -23.601,-5.45 -23.151,-5.45 -22.701,-5.45 -22.251,-5.45 -21.801,-5.45 -21.351,-5.45 -19.101,-5.45 -18.651,-5.45 -18.201,-5.45 -17.751,-5.45 -17.301,-5.45 -15.951,-5.45 -15.501,-5.45 -15.051,-5.45 -14.601,-5.45 -14.151,-5.45 -13.701,-5.45 -52.625,-5 -49.475,-5 -49.025,-5 -48.575,-5 -38.676,-5 -38.226,-5 -37.776,-5 -37.326,-5 -33.276,-5 -32.826,-5 -32.376,-5 -31.926,-5 -31.476,-5 -31.026,-5 -30.576,-5 -30.126,-5 -29.676,-5 -29.226,-5 -28.776,-5 -28.326,-5 -27.876,-5 -27.426,-5 -26.976,-5 -26.526,-5 -26.076,-5 -25.626,-5 -25.176,-5 -24.726,-5 -24.276,-5 -23.826,-5 -23.376,-5 -22.926,-5 -22.476,-5 -22.026,-5 -21.576,-5 -21.126,-5 -20.226,-5 -18.876,-5 -18.426,-5 -17.976,-5 -16.176,-5 -15.726,-5 -15.276,-5 -14.826,-5 -14.376,-5 -13.926,-5 -12.576,-5 -52.85,-4.55 -52.4,-4.55 -49.25,-4.55 -48.8,-4.55 -38.451,-4.55 -38.001,-4.55 -32.601,-4.55 -32.151,-4.55 -31.701,-4.55 -31.251,-4.55 -30.801,-4.55 -30.351,-4.55 -29.901,-4.55 -29.451,-4.55 -29.001,-4.55 -28.551,-4.55 -28.101,-4.55 -27.651,-4.55 -27.201,-4.55 -26.751,-4.55 -26.301,-4.55 -25.851,-4.55 -25.401,-4.55 -24.951,-4.55 -24.501,-4.55 -24.051,-4.55 -23.601,-4.55 -23.151,-4.55 -22.701,-4.55 -22.251,-4.55 -21.801,-4.55 -21.351,-4.55 -19.101,-4.55 -18.651,-4.55 -18.201,-4.55 -16.851,-4.55 -16.401,-4.55 -15.951,-4.55 -15.501,-4.55 -15.051,-4.55 -14.601,-4.55 -14.151,-4.55 -13.701,-4.55 -52.625,-4.1 -52.175,-4.1 -51.725,-4.1 -51.275,-4.1 -50.825,-4.1 -49.025,-4.1 -48.575,-4.1 -38.676,-4.1 -17.076,-4.1 -16.626,-4.1 -16.176,-4.1 -15.726,-4.1 -15.276,-4.1 -14.826,-4.1 -14.376,-4.1 -13.926,-4.1 -12.576,-4.1